# Allegro board 8880F5-0823_9.brd (continued)
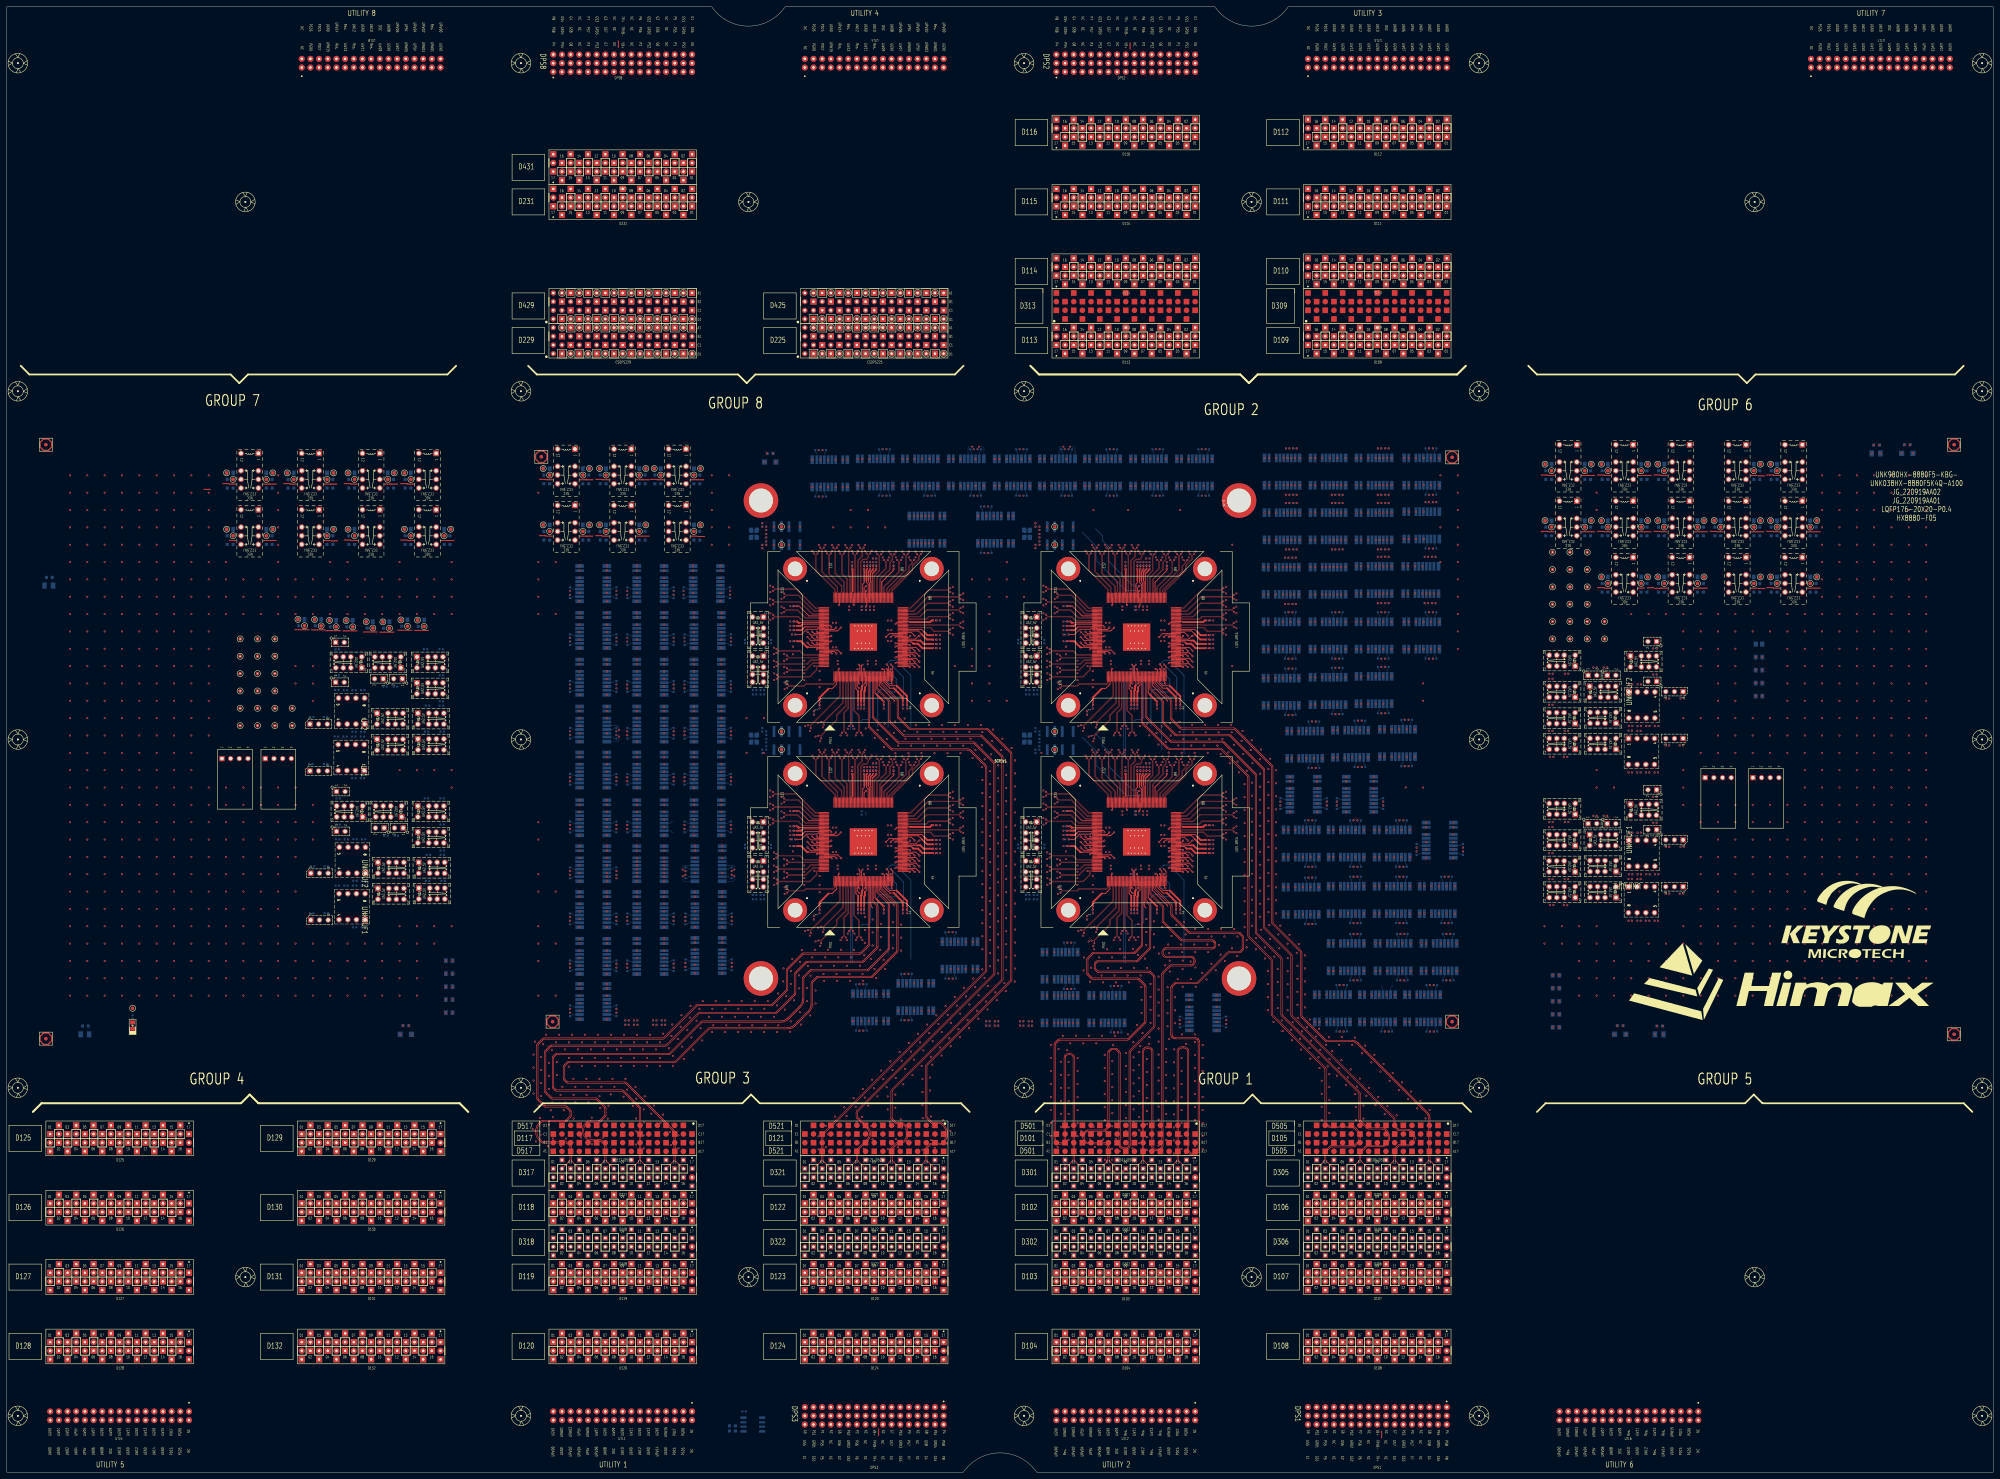
[diagram p0: board, top side]
## Routing (per net, layer and track width the routed paths; a pad name or vN(x,y) marks a point on that pad's centre or on a via; arc(x,y) is an arc through that point) (continued)
D13014: length 457
  TOP w0.086: v1(235.41,157.99) 235.41,158.63 244.15,167.37 244.15,171.4 244.23,171.48 SITE3.6
  L03_SIGNAL w0.071: v1(212.28,148.06) 212.75,148.53 213.7,148.53 214.39,147.85 214.39,138.72 212.04,136.38 212.04,120.26 208.99,117.21 148.79,117.21 148.12,117.88 148.12,119.4 148.87,120.15 157.43,120.15 158.29,121.01 162.75,121.01 163.61,120.15 198.6,120.15 199.73,121.28 199.73,125.32 198.95,126.1 196.67,126.1 195.65,125.07 158.84,125.07 158.24,124.48 154.12,124.48 152.72,125.87 152.72,128.25 154.16,129.68 194.77,129.68 195.76,128.69 203.86,128.69 207.82,132.65 207.82,136.16 201.57,142.41 147.33,142.41 138.29,133.36 138.29,93.15 131.57,86.44 122.77,86.44 121.78,85.45 121.78,81.14 D130.14
  L28_SIGNAL w0.071: v1(212.28,148.06) 212.75,148.53 213.66,148.53 220.92,155.79 232.54,155.79 234.74,157.99 v1(235.41,157.99)
D13015: length 457
  TOP w0.086: v1(246.65,158.55) 247.11,159 247.11,171.4 247.03,171.48 SITE3.13
  L03_SIGNAL w0.071: v1(178.5,135.74) 178.03,135.27 176.65,135.27 171.09,140.83 150.5,140.83 140.34,130.67 140.34,81.34 128.71,69.72 120.78,69.72 119.13,71.37 119.13,74.04 119.47,74.38 120.1,74.38 D130.15
  L28_SIGNAL w0.071: v1(246.65,158.55) 247.13,158.07 247.13,152.51 248.04,151.6 248.04,146.14 241.19,139.28 241.19,127.1 245.47,122.81 248.78,122.81 249.16,122.43 249.16,121.03 248.61,120.48 173.88,120.48 173.18,121.18 173.18,122.25 173.85,122.91 239.02,122.91 239.81,123.7 239.81,124.85 238.76,125.9 195.25,125.9 194.26,126.89 173.26,126.89 172.18,127.97 172.18,128.93 172.98,129.73 198.29,129.73 199.41,130.85 199.41,134.2 198.34,135.27 178.97,135.27 v1(178.5,135.74)
D13016: length 457
  TOP w0.086: v1(234.6,158.8) 235.24,158.8 243.91,167.47 243.91,171.4 243.83,171.48 SITE3.5
  L03_SIGNAL w0.071: D130.16 121.98,81.22 121.98,85.36 122.85,86.24 131.65,86.24 138.49,93.07 138.49,133.28 147.41,142.21 201.49,142.21 207.62,136.08 207.62,132.73 203.78,128.88 195.84,128.88 194.85,129.88 154.07,129.88 152.52,128.33 152.52,125.79 154.04,124.28 158.33,124.28 158.93,124.88 195.73,124.88 196.75,125.9 198.87,125.9 199.53,125.23 199.53,121.37 198.51,120.35 163.69,120.35 162.83,121.21 158.21,121.21 157.35,120.35 148.79,120.35 147.92,119.48 147.92,117.8 148.7,117.02 209.08,117.02 212.24,120.18 212.24,136.29 214.59,138.64 214.59,147.93 213.78,148.73 212.75,148.73 v1(212.28,149.21)
  L28_SIGNAL w0.071: v1(212.28,149.21) 212.75,148.73 213.58,148.73 220.83,155.99 232.46,155.99 234.6,158.13 v1(234.6,158.8)
D13105: length 772.5
  L07_SIGNAL w0.071: D131.05 98.18,54.22 98.18,51.15 100.49,48.84 128.98,48.84 133.46,53.32 133.46,102.41 126.8,109.08 116.98,109.08 86.12,139.94 86.12,204.5 89.3,207.68 131.23,207.68 132.78,206.14 177.95,206.14 180.85,209.04 180.85,216.01 180.31,216.55 178.97,216.55 v2(178.5,217.02)
  L30_SIGNAL w0.071: v1(267.84,280.1) 267.84,276.61 267.43,276.19 258.39,276.19 253.79,271.6 253.79,269.18 252.98,268.37 250.91,268.37 249.38,266.85 249.38,262.52 244.36,257.5 229.93,257.5 219.93,267.5 43.18,267.5 40.55,264.87 40.55,230.48 46.14,224.89 185.95,224.89 187.11,223.73 187.11,221.28 185.84,220.01 182.74,220.01 179.28,216.55 178.97,216.55 v2(178.5,217.02)
D13107: length 772.5
  L07_SIGNAL w0.071: v2(178.5,215.88) 178.97,216.35 180.23,216.35 180.65,215.93 180.65,209.12 177.87,206.34 132.86,206.34 131.32,207.88 89.22,207.88 85.93,204.58 85.93,139.85 116.9,108.88 126.71,108.88 133.26,102.33 133.26,53.41 128.89,49.03 100.58,49.03 98.37,51.24 98.37,53.27 98.88,53.78 99.5,53.78 D131.07
  L30_SIGNAL w0.071: v2(178.5,215.88) 178.97,216.35 179.36,216.35 182.83,219.81 185.93,219.81 187.31,221.2 187.31,223.81 186.04,225.08 46.22,225.08 40.75,230.56 40.75,264.79 43.26,267.3 219.85,267.3 229.85,257.3 244.44,257.3 249.58,262.44 249.58,266.76 250.99,268.17 253.07,268.17 253.99,269.1 253.99,271.52 258.47,275.99 267.41,275.99 267.84,275.56 v1(267.84,272.1)
D13109: length 833.7
  TOP w0.086: SITE1.75 263.98,248.03 264.06,248.11 278.84,248.11 v1(279.29,247.66)
  L07_SIGNAL w0.071: v2(164.91,217.02) 165.38,216.55 166.3,216.55 166.73,216.98 166.73,219.01 166.09,219.66 132.96,219.66 130.14,216.84 88.97,216.84 82.22,210.09 82.22,139.76 114.74,107.24 126.18,107.24 132.01,101.41 132.01,53.93 128.42,50.34 109.55,50.34 108.84,51.05 108.84,53.72 D131.09
  L30_SIGNAL w0.071: v2(164.91,217.02) 164.44,216.56 159.84,216.56 155.31,221.08 107.2,221.08 105.35,222.93 26.87,222.93 25.01,221.07 25.01,219.42 27,217.42 62.17,217.42 63.42,216.18 63.42,213.87 62.13,212.58 23.07,212.58 22.08,211.59 22.08,209.21 23.5,207.78 151.02,207.78 156.52,213.28 202.98,213.28 212.15,222.44 217.97,222.44 229.67,234.14 229.67,236.01 232.46,238.81 253.89,238.81 255.95,240.88 260.58,240.88 261.65,241.94 261.65,244.82 264.95,248.13 278.82,248.13 v1(279.29,247.66)
D13111: length 833.7
  TOP w0.086: SITE1.76 263.98,248.43 264.06,248.35 278.84,248.35 v1(279.29,248.8)
  L07_SIGNAL w0.071: D131.11 109.58,53.7 109.43,53.7 109.04,53.31 109.04,51.13 109.63,50.53 128.34,50.53 131.81,54.01 131.81,101.33 126.1,107.04 114.66,107.04 82.02,139.68 82.02,210.17 88.89,217.04 130.06,217.04 132.88,219.85 166.17,219.85 166.93,219.09 166.93,216.9 166.39,216.35 165.38,216.35 v2(164.91,215.88)
  L30_SIGNAL w0.071: v1(279.29,248.8) 278.82,248.33 264.87,248.33 261.45,244.91 261.45,242.03 260.5,241.08 255.87,241.08 253.8,239.01 232.38,239.01 229.47,236.1 229.47,234.22 217.89,222.64 212.06,222.64 202.9,213.48 156.44,213.48 150.94,207.98 23.59,207.98 22.28,209.29 22.28,211.5 23.16,212.38 62.21,212.38 63.62,213.78 63.62,216.26 62.25,217.62 27.09,217.62 25.21,219.5 25.21,220.99 26.96,222.74 105.27,222.74 107.12,220.89 155.23,220.89 159.76,216.36 164.43,216.36 v2(164.91,215.88)
D13113: length 833.7
  TOP w0.086: SITE1.79 263.98,249.63 264.06,249.71 269.2,249.71 270.02,250.53 275.8,250.53 v1(276.24,250.09)
  L07_SIGNAL w0.071: D131.13 119.01,53.71 119.01,52.43 120.1,51.34 127.24,51.34 130.47,54.57 130.47,100.23 125.3,105.4 111.99,105.4 77.08,140.32 77.08,214.06 83.36,220.34 129.29,220.34 130.68,221.74 212.02,221.74 214.36,224.07 214.36,229.4 213.48,230.27 212.5,230.27 v2(212.03,230.74)
  L30_SIGNAL w0.071: v1(276.24,250.09) 275.77,250.56 264.91,250.56 259.62,245.28 242.41,245.28 236.92,250.76 225.87,250.76 223.91,252.72 220.57,252.72 210.37,262.92 47.38,262.92 45.44,260.98 45.44,248.44 46.83,247.06 50.61,247.06 51.62,248.07 51.62,255.03 52.33,255.73 56,255.73 56.9,254.83 56.9,234.05 57.97,232.99 105.33,232.99 106.72,234.38 162.05,234.38 167.91,240.24 209.33,240.24 210.09,239.48 210.09,230.94 210.76,230.27 211.56,230.27 v2(212.03,230.74)
D13115: length 833.7
  TOP w0.086: SITE1.80 263.98,250.03 264.06,249.95 269.1,249.95 269.92,250.77 275.78,250.77 v1(276.24,251.23)
  L07_SIGNAL w0.071: v2(212.03,229.6) 212.5,230.07 213.4,230.07 214.16,229.31 214.16,224.16 211.94,221.94 130.6,221.94 129.21,220.54 83.28,220.54 76.88,214.14 76.88,140.24 111.91,105.2 125.21,105.2 130.27,100.15 130.27,54.65 127.16,51.54 120.19,51.54 119.21,52.51 119.21,53.31 120.24,54.34 120.38,54.34 D131.15
  L30_SIGNAL w0.071: v1(276.24,251.23) 275.77,250.76 264.83,250.76 259.54,245.47 242.49,245.47 237,250.96 225.95,250.96 223.99,252.92 220.66,252.92 210.45,263.12 47.3,263.12 45.24,261.06 45.24,248.36 46.74,246.86 50.69,246.86 51.82,247.99 51.82,254.95 52.41,255.54 55.91,255.54 56.7,254.75 56.7,233.97 57.89,232.79 105.41,232.79 106.8,234.18 162.14,234.18 168,240.04 209.25,240.04 209.89,239.39 209.89,230.86 210.67,230.07 211.55,230.07 v2(212.03,229.6)
D13201: length 434.3
  TOP w0.086: v1(227.6,257.38) 228.04,256.95 231.86,256.95 236.46,252.35 237.6,252.35 237.68,252.43 SITE1.135
  L07_SIGNAL w0.071: v2(178.5,258.17) 178.97,257.7 179.25,257.7 179.97,258.42 179.97,260.04 179.16,260.84 175,260.84 168.26,254.1 140.98,254.1 135.02,248.14 84.83,248.14 55.75,219.05 55.75,135.85 78.94,112.65 78.94,34.36 82.81,30.5 87.72,30.5 88.8,31.58 88.8,33.12 D132.01
  L32_SIGNAL w0.071: v2(178.5,258.17) 178.97,257.7 179.32,257.7 179.59,257.97 179.59,263.64 184.32,268.37 211.52,268.37 214.25,265.64 214.25,262.45 219.79,256.91 227.13,256.91 v1(227.6,257.38)
D13202: length 410.3
  TOP w0.086: SITE1.142 237.68,249.63 237.6,249.55 233.04,249.55 231.83,250.76 224.76,250.76 v1(224.31,251.21)
  L07_SIGNAL w0.071: v2(181.67,258.17) 181.2,257.7 180.84,257.7 180.46,257.32 180.46,244.15 172.01,235.7 130.48,235.7 128.78,237.39 78.63,237.39 57.53,216.29 57.53,138.19 80.26,115.46 80.26,47.47 86.04,41.7 90.83,41.7 91.38,41.15 91.38,40.58 D132.02
  L32_SIGNAL w0.071: v1(224.31,251.21) 223.83,250.74 223.37,250.74 222.19,251.92 212.79,251.92 210.34,249.47 191.59,249.47 183.36,257.7 182.15,257.7 v2(181.67,258.17)
D13203: length 436
  TOP w0.086: v1(227.6,256.24) 228.07,256.71 231.76,256.71 236.36,252.11 237.6,252.11 237.68,252.03 SITE1.136
  L07_SIGNAL w0.071: D132.03 89,33.12 89,31.49 87.8,30.3 82.72,30.3 78.74,34.28 78.74,112.57 55.55,135.77 55.55,219.14 84.75,248.34 134.94,248.34 140.9,254.3 168.18,254.3 174.92,261.04 179.25,261.04 180.16,260.12 180.16,258.34 179.33,257.5 178.97,257.5 v2(178.5,257.03)
  L32_SIGNAL w0.071: v1(227.6,256.24) 227.13,256.71 219.71,256.71 214.05,262.37 214.05,265.56 211.44,268.17 184.41,268.17 179.79,263.55 179.79,257.89 179.4,257.5 178.97,257.5 v2(178.5,257.03)
D13204: length 410
  TOP w0.086: SITE1.143 237.68,249.23 237.6,249.31 232.94,249.31 231.73,250.52 224.76,250.52 v1(224.31,250.07)
  L07_SIGNAL w0.071: v2(181.67,257.03) 181.2,257.5 180.93,257.5 180.66,257.24 180.66,244.06 172.1,235.5 130.4,235.5 128.7,237.2 78.72,237.2 57.73,216.21 57.73,138.27 80.46,115.54 80.46,47.55 86.12,41.89 90.91,41.89 91.57,41.23 91.57,40.51 D132.04
  L32_SIGNAL w0.071: v1(224.31,250.07) 223.83,250.54 223.29,250.54 222.11,251.72 212.87,251.72 210.42,249.27 191.51,249.27 183.28,257.5 182.15,257.5 v2(181.67,257.03)
D13205: length 447.7
  TOP w0.086: SITE1.137 237.68,251.63 237.6,251.55 235.88,251.55 232.43,255.01 224.75,255.01 v1(224.31,255.45)
  L07_SIGNAL w0.071: v2(164.91,258.17) 165.38,257.7 166.27,257.7 166.93,258.36 166.93,259.9 166.05,260.79 142.38,260.79 131.93,250.34 82.26,250.34 52.78,220.86 52.78,134.44 77.42,109.8 77.42,33.22 81.87,28.76 96.39,28.76 98.93,31.3 98.93,33.15 D132.05
  L32_SIGNAL w0.071: v1(224.31,255.45) 223.83,254.98 218.62,254.98 210.5,263.1 183.15,263.1 180.68,260.62 180.68,257.87 178.81,256 168.1,256 166.4,257.7 165.38,257.7 v2(164.91,258.17)
D13206: length 408
  TOP w0.086: SITE1.140 237.68,250.43 237.6,250.35 233.88,250.35 231.52,252.7 228.04,252.7 v1(227.6,253.14)
  L07_SIGNAL w0.071: v2(195.26,258.17) 194.79,257.7 193.75,257.7 192.26,256.21 190.98,256.21 188.73,253.97 188.73,243.61 178.77,233.64 80.55,233.64 60.86,213.94 60.86,139.49 81.59,118.76 81.59,48.31 86.59,43.31 99.82,43.31 101.5,41.63 101.5,40.54 D132.06
  L32_SIGNAL w0.071: v2(195.26,258.17) 195.73,257.7 196.81,257.7 201.84,252.67 227.13,252.67 v1(227.6,253.14)
D13207: length 449.3
  TOP w0.086: v1(224.31,254.31) 224.76,254.77 232.33,254.77 235.78,251.31 237.6,251.31 237.68,251.23 SITE1.138
  L07_SIGNAL w0.071: v2(164.91,257.03) 165.38,257.5 166.35,257.5 167.13,258.28 167.13,259.99 166.13,260.99 142.29,260.99 131.85,250.54 82.18,250.54 52.59,220.94 52.59,134.36 77.22,109.72 77.22,33.13 81.79,28.56 96.47,28.56 99.13,31.22 99.13,33.09 D132.07
  L32_SIGNAL w0.071: v2(164.91,257.03) 165.38,257.5 166.32,257.5 168.02,255.8 178.9,255.8 180.88,257.78 180.88,260.54 183.23,262.9 210.42,262.9 218.54,254.78 223.83,254.78 v1(224.31,254.31)
D13208: length 407.7
  TOP w0.086: SITE1.141 237.68,250.03 237.6,250.11 233.78,250.11 231.43,252.46 228.06,252.46 v1(227.6,252)
  L07_SIGNAL w0.071: v1(195.26,257.03) 194.79,257.5 193.83,257.5 192.35,256.02 191.06,256.02 188.93,253.89 188.93,243.52 178.85,233.44 80.64,233.44 61.05,213.86 61.05,139.57 81.79,118.84 81.79,48.4 86.67,43.51 99.9,43.51 101.7,41.71 101.7,40.54 D132.08
  L32_SIGNAL w0.071: v1(227.6,252) 227.13,252.47 201.76,252.47 196.73,257.5 195.73,257.5 v1(195.26,257.03)
D13209: length 833.7
  TOP w0.086: SITE1.114 249.43,257.78 249.35,257.86 249.35,267.06 250.46,268.18 250.46,270.4 v1(250.93,270.87)
  L07_SIGNAL w0.071: v2(269.64,286.07) 270.11,286.54 270.11,287.12 269.61,287.62 265.55,287.62 251.47,273.53 232.47,273.53 222.21,263.28 140.9,263.28 131.34,253.72 79.91,253.72 50.03,223.84 50.03,133.46 75.85,107.65 75.85,32.3 80.99,27.16 106.53,27.16 110.1,30.73 110.1,34.06 109.75,34.41 107.83,34.41 D132.09
  L30_SIGNAL w0.071: v1(250.93,270.87) 250.46,271.34 250.46,276.34 261.29,287.17 261.29,309.43 247.92,322.8 212.18,322.8 209.07,325.91 209.07,348.1 210.22,349.26 272.45,349.26 273.08,348.63 273.08,347.75 272.46,347.12 238.28,347.12 237.51,346.35 237.51,344.57 238.19,343.89 272.37,343.89 273.2,343.05 273.2,292.36 271.35,290.5 271.35,288.8 270.13,287.58 270.13,286.55 v2(269.64,286.07)
D13210: length 833.7
  TOP w0.086: SITE1.116 248.63,257.78 248.55,257.86 248.55,268.77 v1(248.93,269.15)
  L07_SIGNAL w0.071: D132.10 111.16,40.04 111.16,44.19 110.45,44.9 87.41,44.9 82.88,49.44 82.88,123.87 66.74,140.01 66.74,214.95 81.82,230.03 129.12,230.03 130.74,231.65 193.37,231.65 210.52,248.8 227.84,248.8 235,255.96 270.62,255.96 280.57,265.91 280.57,268.75 283.02,271.2 286.45,271.2 286.91,270.74 286.91,269.78 v2(287.38,269.3)
  L30_SIGNAL w0.071: v1(248.93,269.15) 248.46,269.62 248.46,275.58 255.67,282.79 255.67,289.18 260.19,293.7 260.19,305.4 244.61,320.97 201.65,320.97 199.69,322.94 199.69,349.49 201.02,350.83 201.93,350.83 202.72,350.04 202.72,322.86 203.88,321.7 206.34,321.7 207.39,322.75 207.39,349.8 208.1,350.52 274.52,350.52 276.38,348.66 276.38,282.72 281.66,277.43 281.66,266.06 282.77,264.94 286.04,264.94 286.91,265.82 286.91,268.83 v2(287.38,269.3)
D13211: length 833.7
  TOP w0.086: v1(249.79,270.87) 250.22,270.43 250.22,268.28 249.11,267.16 249.11,257.86 249.03,257.78 SITE1.115
  L07_SIGNAL w0.071: D132.11 110.3,34.1 110.3,30.64 106.61,26.96 80.91,26.96 75.65,32.22 75.65,107.56 49.84,133.38 49.84,223.93 79.82,253.91 131.26,253.91 140.82,263.48 222.13,263.48 232.38,273.73 251.38,273.73 265.47,287.82 269.7,287.82 270.31,287.2 270.31,286.54 v2(270.78,286.07)
  L30_SIGNAL w0.071: v1(249.79,270.87) 250.26,271.34 250.26,276.43 261.09,287.25 261.09,309.35 247.84,322.6 212.1,322.6 208.87,325.83 208.87,348.19 210.14,349.45 272.54,349.45 273.28,348.71 273.28,347.67 272.54,346.93 238.36,346.93 237.7,346.27 237.7,344.65 238.27,344.08 272.45,344.08 273.4,343.14 273.4,292.27 271.55,290.42 271.55,288.72 270.32,287.49 270.32,286.53 v2(270.78,286.07)
D13212: length 833.7
  TOP w0.086: SITE1.117 248.23,257.78 248.31,257.86 248.31,268.63 v1(247.79,269.15)
  L07_SIGNAL w0.071: D132.12 112.36,40.04 112.03,40.04 111.35,40.72 111.35,44.27 110.53,45.1 87.5,45.1 83.07,49.52 83.07,123.95 66.93,140.09 66.93,214.87 81.9,229.83 129.2,229.83 130.82,231.45 193.46,231.45 210.6,248.6 227.92,248.6 235.08,255.76 270.7,255.76 280.77,265.82 280.77,268.66 283.11,271 286.37,271 286.71,270.66 286.71,269.78 v2(286.24,269.3)
  L30_SIGNAL w0.071: v1(247.79,269.15) 248.26,269.62 248.26,275.66 255.47,282.87 255.47,289.26 259.99,293.78 259.99,305.31 244.53,320.78 201.57,320.78 199.49,322.86 199.49,349.58 200.94,351.03 202.01,351.03 202.92,350.12 202.92,322.94 203.96,321.9 206.26,321.9 207.19,322.83 207.19,349.89 208.02,350.72 274.6,350.72 276.58,348.74 276.58,282.8 281.86,277.52 281.86,266.14 282.85,265.14 285.95,265.14 286.71,265.9 286.71,268.83 v2(286.24,269.3)
D13213: length 552.7
  TOP w0.086: SITE1.129 243.43,257.78 243.35,257.86 243.35,259.29 238.85,263.79 238.85,270.43 v1(239.3,270.88)
  L07_SIGNAL w0.071: v2(256.43,286.07) 256.9,286.54 256.9,287.04 256.11,287.83 244.35,287.83 221.19,264.67 85.94,264.67 48.05,226.78 48.05,132.04 73.99,106.09 73.99,31.07 79.76,25.31 115.07,25.31 119.36,29.6 119.36,33.04 D132.13
  L32_SIGNAL w0.071: v2(256.43,286.07) 256.9,286.54 256.9,287.86 253.94,290.83 246.09,290.83 238.83,283.57 238.83,271.35 v1(239.3,270.88)
D13214: length 833.7
  TOP w0.086: v1(279.29,252.02) 278.8,252.51 269.46,252.51 267.46,250.51 264.06,250.51 263.98,250.43 SITE1.81
  L07_SIGNAL w0.071: v2(198.44,230.74) 197.97,230.27 197.09,230.27 193.22,226.39 106.2,226.39 104.99,225.18 81.1,225.18 73.01,217.1 73.01,138.99 84.16,127.84 84.16,49.97 87.95,46.18 119.58,46.18 122.02,43.75 122.02,40.49 121.47,39.94 121.22,39.94 D132.14
  L30_SIGNAL w0.071: v2(198.44,230.74) 197.98,230.28 197.12,230.28 194.07,233.32 163.11,233.32 159.25,229.47 92.13,229.47 91.1,230.5 52.56,230.5 51.57,231.5 51.57,243.33 50.2,244.7 47.65,244.7 46.39,243.43 46.39,230.24 45.54,229.4 43.71,229.4 42.27,230.84 42.27,263.53 43.39,264.65 162.86,264.65 164.61,266.39 219.73,266.39 229.62,256.5 233.86,256.5 239.76,250.6 255.02,250.6 256.91,252.49 278.82,252.49 v1(279.29,252.02)
D13215: length 554.6
  TOP w0.086: SITE1.130 243.03,257.78 243.11,257.86 243.11,259.19 238.61,263.69 238.61,270.43 v1(238.16,270.88)
  L07_SIGNAL w0.071: D132.15 119.56,33.2 119.56,29.52 115.15,25.11 79.68,25.11 73.79,30.99 73.79,106.01 47.85,131.95 47.85,226.86 85.86,264.87 221.11,264.87 244.27,288.03 256.19,288.03 257.1,287.12 257.1,286.54 v2(257.58,286.07)
  L32_SIGNAL w0.071: v2(257.58,286.07) 257.1,286.54 257.1,287.94 254.02,291.03 246.01,291.03 238.63,283.65 238.63,271.35 v1(238.16,270.88)
D13216: length 833.7
  TOP w0.086: SITE1.82 263.98,250.83 264.06,250.75 267.37,250.75 269.36,252.75 278.88,252.75 v1(279.29,253.16)
  L07_SIGNAL w0.071: v1(198.44,229.6) 197.97,230.07 197.17,230.07 193.3,226.19 106.28,226.19 105.07,224.98 81.18,224.98 73.21,217.01 73.21,139.07 84.36,127.92 84.36,50.05 88.03,46.38 119.67,46.38 122.22,43.83 122.22,40.34 D132.16
  L30_SIGNAL w0.071: v1(198.44,229.6) 197.95,230.08 197.04,230.08 193.99,233.13 163.19,233.13 159.34,229.27 92.05,229.27 91.02,230.3 52.48,230.3 51.37,231.41 51.37,243.25 50.11,244.5 47.74,244.5 46.59,243.35 46.59,230.16 45.62,229.2 43.63,229.2 42.08,230.75 42.08,263.61 43.31,264.84 162.78,264.84 164.53,266.59 219.81,266.59 229.71,256.69 233.95,256.69 239.84,250.8 254.94,250.8 256.83,252.69 278.82,252.69 v1(279.29,253.16)
D30102: length 192.4
  TOP w0.147: SITE4.26 332.23,171.33 332.23,171.32 332.23,154.55 arc(332.21,154.42) 332.13,154.31 330.19,152.37 arc(330.08,152.3) 329.95,152.27 318.28,152.27 arc(317.99,152.21) 317.76,152.05 316.41,150.71 arc(316.25,150.47) 316.2,150.19 316.2,146.19 arc(316.25,145.9) 316.41,145.66 317.47,144.6 arc(317.71,144.44) 317.99,144.39 331.11,144.39 arc(331.25,144.36) 331.36,144.29 333.1,142.54 arc(333.18,142.43) 333.2,142.3 333.2,132.06 arc(333.18,131.93) 333.1,131.82 328.32,127.04 arc(328.21,126.97) 328.08,126.94 308.43,126.94 arc(308.03,126.86) 307.69,126.63 306.96,125.91 arc(306.74,125.57) 306.66,125.17 306.66,97.52 arc(306.75,97.03) 307.03,96.62 307.03,96.62 arc(307.63,96.22) 308.34,96.08 arc(309.04,96.22) 309.63,96.61 arc(309.9,97.01) 309.99,97.48 309.99,121.45 arc(310.05,121.72) 310.2,121.95 arc(310.63,122.24) 311.14,122.34 arc(311.63,122.25) 312.04,121.97 arc(312.18,121.76) 312.23,121.52 312.23,91.55 arc(312.17,91.27) 312.01,91.03 D301.02
D30104: length 192.4
  TOP w0.147: D301.04 312.84,91.02 arc(312.68,91.26) 312.62,91.54 312.62,121.52 arc(312.55,121.92) 312.32,122.25 arc(311.78,122.61) 311.14,122.74 arc(310.48,122.61) 309.92,122.23 arc(309.68,121.88) 309.6,121.45 309.6,97.48 arc(309.53,97.16) 309.35,96.89 arc(308.89,96.58) 308.34,96.47 arc(307.78,96.59) 307.31,96.9 307.31,96.9 arc(307.12,97.18) 307.05,97.52 307.05,125.17 arc(307.1,125.42) 307.24,125.63 307.97,126.35 arc(308.18,126.49) 308.43,126.54 328.08,126.54 arc(328.36,126.6) 328.6,126.76 333.38,131.54 arc(333.54,131.78) 333.6,132.06 333.6,142.3 arc(333.54,142.58) 333.38,142.82 331.64,144.57 arc(331.4,144.73) 331.11,144.79 317.99,144.79 arc(317.86,144.81) 317.75,144.88 316.69,145.94 arc(316.62,146.06) 316.59,146.19 316.59,150.19 arc(316.62,150.32) 316.69,150.43 318.04,151.77 arc(318.15,151.85) 318.28,151.87 329.95,151.87 arc(330.23,151.93) 330.47,152.09 332.41,154.03 arc(332.57,154.27) 332.63,154.55 332.63,171.32 332.63,171.33 SITE4.27
D30106: length 192.4
  TOP w0.147: D301.06 322.18,91.04 arc(322.34,91.28) 322.4,91.57 322.4,95.07 arc(322.32,95.49) 322.08,95.84 arc(321.73,96.07) 321.32,96.15 316.66,96.15 arc(316.17,96.25) 315.76,96.53 315.75,96.53 arc(315.24,97.31) 315.05,98.22 arc(315.23,99.12) 315.74,99.88 arc(316.14,100.15) 316.62,100.24 321.27,100.24 arc(321.4,100.27) 321.51,100.34 322.3,101.13 arc(322.37,101.24) 322.4,101.37 322.4,122.89 arc(322.46,123.17) 322.62,123.41 323.15,123.95 arc(323.39,124.11) 323.67,124.16 324.64,124.16 arc(324.92,124.11) 325.16,123.95 325.83,123.28 arc(325.99,123.04) 326.05,122.75 326.05,95.92 arc(326.1,95.64) 326.26,95.41 arc(326.69,95.11) 327.21,95.01 327.43,95.01 arc(327.96,95.12) 328.4,95.41 arc(328.56,95.65) 328.61,95.93 328.61,123.08 arc(328.67,123.36) 328.83,123.6 335.73,130.5 arc(335.8,130.61) 335.83,130.74 335.83,145.03 arc(335.8,145.16) 335.73,145.27 334.69,146.31 arc(334.58,146.38) 334.45,146.41 319.65,146.41 arc(319.37,146.46) 319.13,146.62 318.65,147.11 arc(318.49,147.35) 318.43,147.63 318.43,148.81 arc(318.49,149.09) 318.65,149.33 318.99,149.67 arc(319.23,149.83) 319.51,149.89 330.73,149.89 arc(330.86,149.91) 330.97,149.99 334.49,153.51 arc(334.56,153.62) 334.59,153.75 334.59,165.93 arc(334.56,166.06) 334.49,166.17 333.65,167.01 arc(333.49,167.25) 333.43,167.53 333.43,171.32 333.43,171.33 SITE4.29
D30108: length 192.4
  TOP w0.147: SITE4.30 333.83,171.33 333.83,171.32 333.83,167.53 arc(333.85,167.4) 333.93,167.29 334.77,166.45 arc(334.93,166.21) 334.99,165.93 334.99,153.75 arc(334.93,153.47) 334.77,153.23 331.25,149.7 arc(331.01,149.55) 330.73,149.49 319.51,149.49 arc(319.38,149.46) 319.27,149.39 318.93,149.05 arc(318.85,148.94) 318.83,148.81 318.83,147.63 arc(318.85,147.5) 318.93,147.39 319.41,146.9 arc(319.52,146.83) 319.65,146.8 334.45,146.8 arc(334.73,146.75) 334.97,146.59 336.01,145.55 arc(336.17,145.31) 336.22,145.03 336.22,130.74 arc(336.17,130.46) 336.01,130.22 329.11,123.32 arc(329.04,123.21) 329.01,123.08 329.01,95.93 arc(328.92,95.5) 328.68,95.13 arc(328.11,94.75) 327.44,94.61 327.21,94.61 arc(326.54,94.75) 325.98,95.13 arc(325.73,95.49) 325.65,95.92 325.65,122.75 arc(325.62,122.88) 325.55,123 324.88,123.67 arc(324.77,123.74) 324.64,123.77 323.67,123.77 arc(323.54,123.74) 323.43,123.67 322.9,123.13 arc(322.82,123.02) 322.8,122.89 322.8,101.37 arc(322.74,101.09) 322.58,100.85 321.79,100.06 arc(321.55,99.9) 321.27,99.85 316.62,99.85 arc(316.3,99.78) 316.02,99.6 arc(315.6,98.97) 315.45,98.22 arc(315.6,97.46) 316.03,96.81 316.04,96.81 arc(316.32,96.62) 316.66,96.55 321.32,96.55 arc(321.88,96.44) 322.36,96.12 arc(322.68,95.64) 322.8,95.07 322.8,91.53 arc(322.85,91.25) 323.01,91.01 D301.08
D30110: length 192.4
  TOP w0.147: SITE4.32 334.63,171.33 334.63,171.32 334.63,169.65 arc(334.69,169.37) 334.85,169.13 338.31,165.66 arc(338.39,165.55) 338.41,165.42 338.41,161.32 arc(338.45,161.12) 338.57,160.94 343.71,155.8 arc(343.95,155.64) 344.23,155.58 352.97,155.58 arc(353.1,155.56) 353.21,155.48 353.54,155.16 arc(353.61,155.04) 353.64,154.91 353.64,154.22 arc(353.62,154.12) 353.56,154.03 353.28,153.75 arc(353.17,153.68) 353.04,153.65 339.37,153.65 arc(339.09,153.6) 338.85,153.44 338.47,153.06 arc(338.31,152.81) 338.25,152.52 338.25,151.88 arc(338.31,151.59) 338.47,151.34 338.84,150.97 arc(339.08,150.81) 339.36,150.76 346.77,150.76 arc(347.04,150.7) 347.27,150.55 347.27,150.55 arc(347.52,150.17) 347.61,149.73 arc(347.52,149.29) 347.28,148.92 347.23,148.87 arc(347,148.72) 346.73,148.67 340.97,148.67 arc(340.69,148.61) 340.45,148.45 338.39,146.4 arc(338.23,146.16) 338.18,145.87 338.18,95.57 arc(338.12,95.28) 337.95,95.03 arc(337.43,94.68) 336.81,94.56 arc(336.26,94.67) 335.8,94.98 arc(335.67,95.17) 335.62,95.4 335.62,123.36 arc(335.54,123.76) 335.32,124.1 335.31,124.1 arc(334.75,124.48) 334.09,124.61 arc(333.41,124.48) 332.84,124.09 arc(332.6,123.73) 332.52,123.31 332.52,91.52 arc(332.46,91.24) 332.3,91 D301.10
D30112: length 192.4
  TOP w0.147: D301.12 333.13,91.05 arc(332.97,91.29) 332.91,91.57 332.91,123.31 arc(332.97,123.58) 333.12,123.81 arc(333.57,124.11) 334.09,124.21 arc(334.6,124.11) 335.03,123.82 arc(335.18,123.61) 335.23,123.36 335.23,95.4 arc(335.3,95.02) 335.52,94.7 arc(336.11,94.3) 336.81,94.16 arc(337.58,94.31) 338.23,94.75 arc(338.49,95.13) 338.57,95.57 338.57,145.87 arc(338.6,146) 338.67,146.11 340.73,148.17 arc(340.84,148.24) 340.97,148.27 346.73,148.27 arc(347.15,148.35) 347.51,148.59 347.56,148.64 arc(347.89,149.14) 348.01,149.73 arc(347.89,150.33) 347.55,150.83 arc(347.2,151.07) 346.77,151.15 339.36,151.15 arc(339.23,151.18) 339.12,151.25 338.76,151.62 arc(338.67,151.74) 338.65,151.88 338.65,152.52 arc(338.67,152.66) 338.76,152.78 339.13,153.16 arc(339.24,153.23) 339.37,153.26 353.04,153.26 arc(353.32,153.31) 353.56,153.47 353.7,153.61 353.84,153.75 arc(353.99,153.97) 354.04,154.22 354.04,154.91 arc(353.98,155.2) 353.82,155.44 353.49,155.76 arc(353.25,155.92) 352.97,155.98 344.23,155.98 arc(344.1,156) 343.99,156.08 338.85,161.22 arc(338.82,161.27) 338.81,161.32 338.81,165.42 arc(338.75,165.71) 338.59,165.94 335.13,169.41 arc(335.05,169.52) 335.03,169.65 335.03,171.32 335.03,171.33 SITE4.33
